# KiCad board MEP-MAXI-85V-1-REV-2-Interface-Board.kicad_pcb (continued)
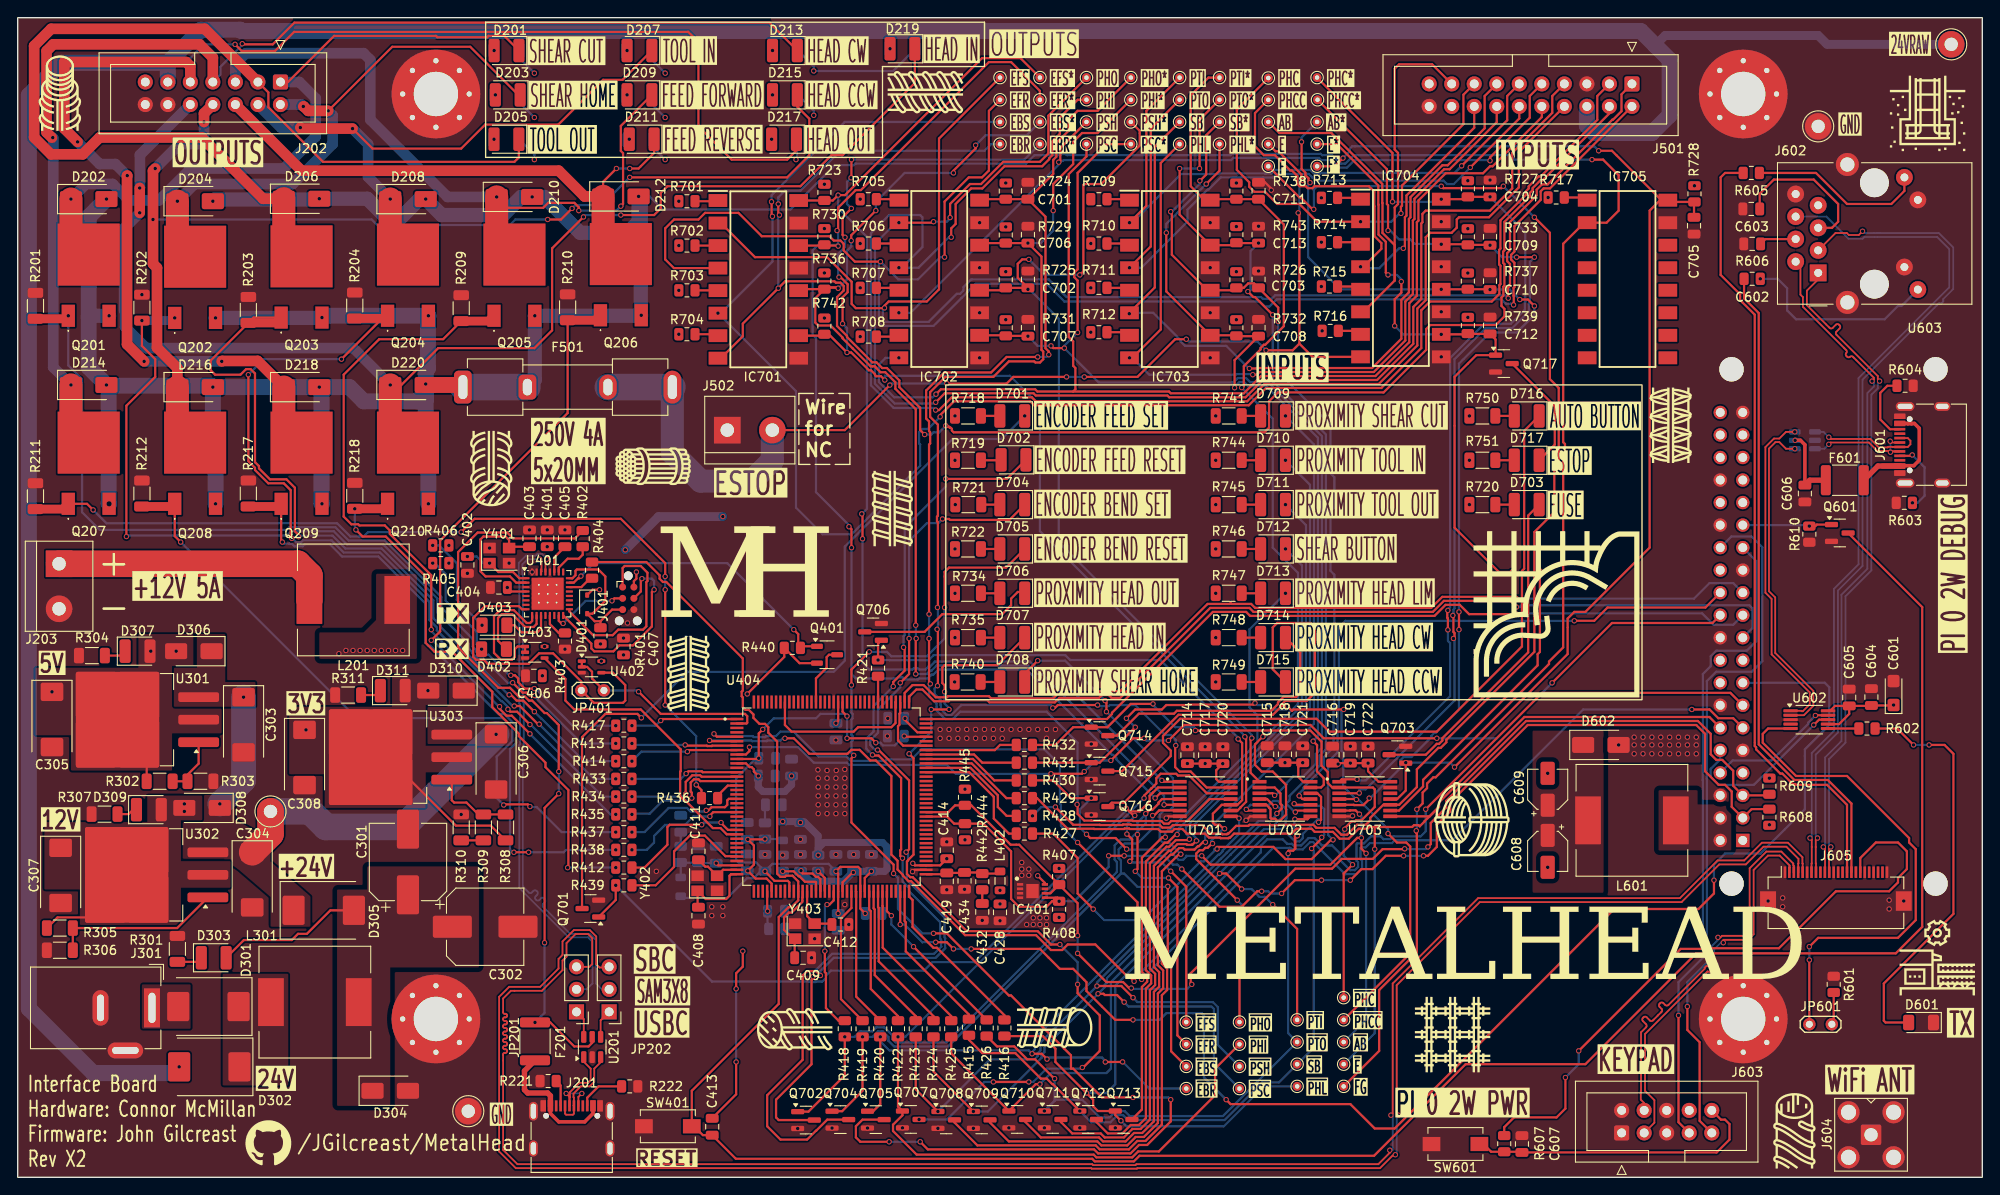
[diagram p0: board, top side]
## Routing (per net, layer and track width the routed paths; a pad name or vN(x,y) marks a point on that pad's centre or on a via; arc(x,y) is an arc through that point) (continued)
/Signal Processing/PROXIMITY_TOOL_OUT*: length 99.2
  Top w0.25: v1(141.5,97.25) 139.5,99.25 139.31,99.25 v1(138.69,99.87) ; v1(131,113.75) 131,108.55 IC703.14 136.85,105.1 137.13,105.38 R743.2 137.44,105.34 v1(139.9,105.34) ; v1(133.25,113.75) 133.25,119.25 TP723.1 ; U702.9 144.1,41.35 144.05,41.3 v1(144.05,41.17)
  Bottom w0.25: v1(139.9,105.34) 139,104.44 139,100.07 138.8,99.87 138.7,99.87 v1(138.69,99.87) ; v1(141.5,97.25) 141.5,89.75 147.5,83.75 147.5,48.25 146.8,47.55 146.8,46.41 143.4,43.02 143.4,42.49 143.04,42.13 143.04,42.11 143.98,41.17 v1(144.05,41.17) ; v1(131,113.75) v1(133.25,113.75)
/Signal Processing/SHEAR_BUTTON: length 92.2
  Top w0.25: TP732.1 128.2,116.2 128.2,100.33 IC703.6 ; v1(138.87,91.2) 139.68,91.2 139.73,91.25 152.7,91.25 156,94.55 156,98.93 156.85,99.78 156.85,108.07 157.03,108.25 157.03,110.52 160.62,114.11 161.23,114.11 165.4,118.28 165.4,121.93 J501.13
  Bottom w0.25: v1(125.33,97.38) 125.43,97.48 128.02,97.48 131.12,94.38 131.12,94.24 131.62,93.75 136.25,93.75 138.8,91.2 v1(138.87,91.2)
/Signal Processing/SHEAR_BUTTON*: length 93.6
  Top w0.25: TP736.1 134,117.5 134,113.07 v1(133.28,112.36) ; v1(144.48,43.01) 144.84,42.65 U702.11 ; v1(130,108.88) 130.12,108.75 130.12,104.02 134.12,100.02 IC703.12 136.77,100.02 137.04,100.29 R726.2 138.22,100.29 138.72,100.79 139.4,100.79 C703.1 142.12,98.06 v1(142.12,96.5)
  Bottom w0.25: v1(133.28,112.36) 133.28,112.03 130.13,108.88 v1(130,108.88) ; v1(142.12,96.5) 142.12,90.76 148,84.89 148,79.39 148.45,78.94 148.45,75.56 148,75.11 148,68.39 148.45,67.94 148.45,53.22 148.43,53.2 148.43,52.95 148.35,52.87 148.35,48.46 147.25,47.36 147.25,46.23 144.95,43.93 144.95,43.74 144.5,43.29 144.5,43.22 144.5,43.22 144.5,43.03 144.49,43.01 v1(144.48,43.01)
/Signal Processing/~{AUTO_BUTTON}: length 76
  Top w0.25: v1(125.03,37) 123.78,38.25 120.93,38.25 v1(120.5,38.67) ; v1(121.04,42.75) 118.75,42.75 116.75,44.75 R430.2 ; v1(151.28,40.94) 150.85,41.38 150.24,41.38 150.22,41.35 U703.6 ; v1(133.5,36.25) 134.5,35.25 148,35.25 151.03,38.28 v1(151.5,38.28) 151.5,37.05 v1(152.03,36.52)
  Bottom w0.25: v1(125.03,37) 125.08,36.94 129.74,36.94 130.88,35.8 131.4,35.8 131.76,36.17 131.76,36.25 v1(133.5,36.25) ; v1(151.5,38.28) 151.5,40.72 v1(151.28,40.94) ; v1(120.5,38.67) 119.75,39.42 119.75,41.46 v1(121.04,42.75) ; v1(152.03,36.52) 152.03,17.78 TP741.1
/Signal Processing/~{ENCODER_BEND_RESET}: length 84.1
  Top w0.25: v1(122.62,13) 124.57,13 v1(124.57,13.01) ; v1(114.37,13.93) 115.45,13.93 v1(116.05,13.33) ; Q705.1 96.45,7.45 97.25,8.25 v1(97.25,15.83) ; U701.8 137.48,40.7 v1(137.7,40.48)
  Bottom w0.25: v1(116.05,13.33) 116.22,13.5 122.25,13.5 122.62,13.12 v1(122.62,13) ; TP751.1 127.58,10 v1(124.57,13.01) ; v1(137.7,40.48) 137.7,38.86 137.65,38.81 137.65,38.65 135.85,36.85 135.85,36.75 135.48,36.39 135.39,36.39 131.71,32.71 131.68,32.71 114.68,15.71 114.68,14.43 114.34,14.09 114.34,13.95 v1(114.37,13.93) 113.99,14.31 98.26,14.31 97.25,15.32 v1(97.25,15.83)
/Signal Processing/~{ENCODER_BEND_SET}: length 88.4
  Top w0.25: U701.6 130.99,41.38 128.7,41.38 128.12,40.79 v1(127.95,40.79) ; Q704.1 92.95,7.45 95.25,9.75 v1(95.25,15.83) ; TP738.1 130.04,14.21 130.04,23.69 129.67,24.06 v1(129.67,32.8)
  Bottom w0.25: v1(127.95,40.79) 127.95,39.34 126.24,37.63 124.77,37.63 124.12,36.98 124.12,35.99 124.38,35.73 124.38,34.25 ; 124.38,34.25 124.75,34.25 126.25,32.75 129.66,32.75 129.67,32.76 v1(129.67,32.8) ; 124.38,34.25 104.89,14.76 98.8,14.76 98.17,15.39 98.17,15.8 97.52,16.46 96.99,16.46 96.37,15.83 v1(95.25,15.83)
/Signal Processing/~{ENCODER_FEED_RESET}: length 95.3
  Top w0.25: v1(126,34.5) 126.25,34.75 v1(126.25,38.64) ; v1(93.25,15.83) 93.25,11.5 89.15,7.4 Q702.1 ; v1(127.18,41) 127.6,41.42 127.92,41.42 128.62,42.13 128.62,42.26 129.02,42.65 U701.4 ; v1(129.75,33.75) 130.75,32.75 130.75,16 TP725.1
  Bottom w0.25: v1(93.25,15.83) 94.37,15.83 94.99,16.46 96.35,16.46 96.8,16.91 97.71,16.91 98.62,15.99 98.62,15.57 98.99,15.21 104.71,15.21 123.93,34.42 123.93,35.55 123.68,35.8 123.68,37.45 124.31,38.08 125.37,38.08 127.18,39.88 v1(127.18,41) 127.18,40.92 126.25,39.99 v1(126.25,38.64) ; v1(126,34.5) 126.75,33.75 v1(129.75,33.75)
/Signal Processing/~{ENCODER_FEED_SET}: length 112.9
  Top w0.25: TP711.1 131.75,32.76 v1(130,34.51) ; U701.2 128.57,43.95 128,43.38 127.98,43.38 127.62,43.02 127.62,42.37 126.5,41.25 125.34,41.25 v1(124.98,41.61) 125.8,40.79 125.94,40.79 v1(125.94,40.8) ; Q701.1 67.42,31.28 v1(67.42,32.92) ; v1(125.39,35.62) 125.65,35.88 125.65,38.11 v1(125.06,38.7)
  Bottom w0.25: v1(130,34.51) 129.99,34.51 129,35.5 125.73,35.5 125.44,35.79 125.41,35.79 125.39,35.77 v1(125.39,35.62) ; 125.75,40.52 125.75,40.6 v1(125.94,40.8) ; v1(67.42,32.92) 78.28,22.06 89.34,22.06 89.4,22 89.92,22 89.98,22.06 90.7,22.06 91.12,22.49 91.12,22.74 91.69,23.3 102.19,23.3 103.14,24.25 107.86,24.25 125.1,41.49 v1(124.98,41.61) ; v1(125.06,38.7) 125.06,39.83 125.75,40.52
/Signal Processing/~{ESTOP}: length 121.4
  Top w0.25: 160.25,41.75 159.2,40.7 U703.8 ; 160.25,41.75 160.25,42.27 169.88,51.9 190.74,51.9 U603.12 ; 160.25,41.75 160.23,41.75 158.6,40.12 158.6,40.1 158.07,39.57 157.94,39.7 157.42,39.7 157.22,39.5 153,39.5 ; 153,39.5 152.39,39.5 152.19,39.3 151.2,39.3 150.07,38.17 149.05,38.17 148.28,38.95 146.23,38.95 145.88,39.3 144.19,39.3 143.64,38.75 137.14,38.75 136.69,38.3 136.59,38.3 136.52,38.23 135.63,38.23 135.55,38.3 134.31,38.3 133.86,38.75 131.83,38.75 131.31,39.27 130.43,39.27 130.13,38.97 128.87,38.97 128.57,39.27 125.37,39.27 125.32,39.33 124.8,39.33 124.74,39.27 121.36,39.27 121.33,39.3 118.38,39.3 114.93,42.75 R429.2 ; 153,39.5 v1(153,37)
  Bottom w0.25: v1(153,37) 153,16.25 TP754.1
/Signal Processing/~{FUSE}: length 156.8
  Top w0.25: v1(117,41.75) 119,39.75 122,39.75 122.03,39.72 124.56,39.72 124.61,39.78 125.5,39.78 125.56,39.72 128.76,39.72 129.05,39.42 129.95,39.42 130.24,39.72 133.53,39.72 134.5,38.75 135.74,38.75 135.81,38.68 136.33,38.68 136.4,38.75 136.5,38.75 137.38,39.62 138.76,39.62 138.88,39.75 141.22,39.75 141.26,39.71 142.15,39.71 142.19,39.75 146.07,39.75 146.42,39.4 148.46,39.4 149.24,38.62 149.88,38.62 151.01,39.75 152,39.75 152.5,40.25 152.5,40.53 153.97,42 U703.10 155.75,42 157.75,44 157.75,46 160.18,48.42 160.45,48.42 161.07,49.05 161.07,49.33 171,59.25 171,72.75 173.25,75 173.25,80.25 173.75,80.75 173.75,89 172.75,90 172.75,106.5 v1(171,108.25) ; v1(167.5,111.75) 167.29,111.54 160.71,111.54 v1(160.5,111.75) ; TP715.1 144.5,110.5 144.63,110.5 145.99,109.15 v1(146.12,109.15)
  Bottom w0.25: v1(117,41.75) 115.41,41.75 v1(114.41,40.75) ; v1(146.12,109.15) 146.12,111.38 146.5,111.75 v1(160.5,111.75) ; v1(171,108.25) v1(167.5,111.75)
/Signal Processing/~{PROXIMITY_HEAD_CCW}: length 84.9
  Top w0.25: R431.2 Q715.1 122,46.75 v1(126,50.75) ; v1(154.5,38.75) 155.5,37.75 156.55,37.75 157,37.3 157,25.25 TP728.1 ; v1(143.17,53.1) 143.66,52.6 143.69,52.6 143.84,52.75 v1(149.5,52.75) ; v1(150.93,42.59) 150.93,42.59 150.87,42.65 U703.4 ; v1(125,51.75) 126,52.75 129,52.75 129.5,53.25 131.95,53.25 132,53.3 139.32,53.3 v1(139.5,53.47)
  Bottom w0.25: v1(154.5,38.75) 154.5,39.25 151.16,42.59 150.93,42.59 v1(150.93,42.59) 149.45,44.07 149.45,46.28 149.5,46.33 149.5,46.85 149.45,46.9 149.45,47.9 149.25,48.1 149.25,52.5 v1(149.5,52.75) ; v1(139.5,53.47) 139.72,53.25 141,53.25 141.5,52.75 143.07,52.75 143.17,52.85 v1(143.17,53.1) ; v1(125,51.75) v1(126,50.75)
/Signal Processing/~{PROXIMITY_HEAD_CW}: length 73.4
  Top w0.25: R432.2 117,48.75 119,50.75 Q714.1 122.86,50.75 125.49,53.38 v1(128,53.38) ; v1(132.79,50.38) 145.74,50.38 147,49.12 147,46.4 147.7,45.7 147.7,44.47 148.22,43.95 U703.2 152.8,43.95 153,43.75 153,41.75 151.5,40.25 150.88,40.25 150.76,40.12 150.38,40.12 149.62,39.38 v1(149.62,39.25) ; v1(150.5,35.25) 149.5,34.25 TP714.1
  Bottom w0.25: v1(150.5,35.25) 149.5,36.25 149.5,39.12 v1(149.62,39.25) ; v1(128,53.38) 128,53.25 130.5,50.75 132.62,50.75 132.79,50.58 v1(132.79,50.38)
/Signal Processing/~{PROXIMITY_HEAD_IN}: length 109.8
  Top w0.25: v1(126.99,42.75) 126.99,43.03 127.8,43.83 127.81,43.83 128.38,44.4 128.38,45.01 128.87,45.5 130.61,45.5 130.81,45.3 132.06,45.3 134.06,43.3 U701.12 ; TP726.1 135,12.25 135,9.25 128.66,2.91 126.33,2.91 125.66,2.24 121.62,2.24 121.31,2.55 101.36,2.55 98.69,5.22 98.69,5.92 99.75,6.98 Q707.1 99.25,7.97 v1(99.25,15.83)
  Bottom w0.25: v1(99.25,15.83) 100.08,15.83 126.99,42.74 v1(126.99,42.75)
/Signal Processing/~{PROXIMITY_HEAD_LIM}: length 91.9
  Top w0.25: v1(146.68,40.03) 146.95,40.3 146.95,42.88 146.53,43.3 U702.12 ; v1(124.39,6.37) 123.75,7.01 Q713.1 121.78,7.47 121.25,8 121.25,8.75 v1(120.5,9.5) 117,13 117,14.5 115.58,15.92 R416.2
  Bottom w0.25: v1(124.39,6.37) 125.01,5.75 136,5.75 140.5,10.25 TP753.1 ; v1(120.5,9.5) 122.75,9.5 123.75,10.5 123.75,21.61 140.94,38.8 143.09,38.8 144.01,37.88 144.53,37.88 144.9,38.24 144.9,38.72 146.57,40.39 146.64,40.39 146.68,40.36 v1(146.68,40.03)
/Signal Processing/~{PROXIMITY_HEAD_OUT}: length 87
  Top w0.25: v1(97,58.33) 97,60.17 Q706.1 ; v1(137.5,31.25) 132.88,35.88 132.88,36.51 133.24,36.88 133.62,36.88 133.9,37.15 134.17,37.15 134.56,37.54 134.56,37.64 134.57,37.63 v1(134.71,37.63) ; v1(137.6,49.42) 138.05,48.96 138.05,42.53 137.52,42 U701.10 135.75,42 134.75,41 134.75,40 135,39.75 135.5,39.75 135.88,39.38 136,39.38 v1(136.07,39.3) ; v1(138,27.75) 137.75,27.5 TP712.1
  Bottom w0.25: v1(137.5,31.25) 138,30.75 v1(138,27.75) ; v1(137.6,49.42) 137.61,49.42 137.61,49.43 137.61,49.54 128.83,58.33 118.66,58.33 118.11,58.88 103.26,58.88 102.69,58.3 98.31,58.3 98.29,58.33 v1(97,58.33) ; v1(134.71,37.63) 134.57,37.63 134.56,37.64 134.56,37.93 135.93,39.3 v1(136.07,39.3)
/Signal Processing/~{PROXIMITY_SHEAR_CUT}: length 87.6
  Top w0.25: v1(141.79,41.81) 141.79,41.8 141.78,41.8 141.77,41.81 141.7,41.81 140.86,42.65 U702.4 ; v1(107.75,7.42) 103.25,11.92 R424.2 ; v1(124.75,19.75) 123.95,20.55 122.56,20.55 122.42,20.69 v1(121.81,20.69)
  Bottom w0.25: v1(124.75,19.75) 125.25,19.25 134.61,19.25 134.88,18.99 134.88,12.88 TP752.1 ; v1(141.79,41.81) 142.07,41.81 142.59,41.28 142.59,40.65 141.65,39.7 140.06,39.7 136.75,36.38 136.75,36.38 135.85,35.49 135.85,35.49 122.8,22.44 122.8,21.94 122.55,21.69 122.55,21.44 v1(121.81,20.69) 115.76,14.64 115.76,14.12 115.44,13.81 115.44,13.48 109.38,7.42 v1(107.75,7.42)
/Signal Processing/~{PROXIMITY_SHEAR_HOME}: length 90.1
  Top w0.25: U702.2 141.71,43.95 142.37,43.29 142.37,42.11 142.5,41.99 142.5,41.55 v1(141.97,41.02) ; v1(121.68,21.57) 124.43,21.57 v1(125.75,20.25) ; R423.2 101.25,9.92 v1(103.75,7.42)
  Bottom w0.25: v1(103.75,7.42) 109.63,13.3 114.63,13.3 114.99,13.67 114.99,13.99 115.31,14.31 115.31,15.19 v1(121.68,21.57) 121.68,21.96 135.66,35.94 135.67,35.94 136.3,36.57 136.3,36.57 139.88,40.15 141.21,40.15 141.84,40.78 141.84,40.81 141.92,40.89 141.92,40.89 141.97,40.93 141.97,41.02 v1(141.97,41.02) ; v1(125.75,20.25) 126.25,19.75 134.75,19.75 135.32,19.18 135.32,14.93 TP739.1
/Signal Processing/~{PROXIMITY_TOOL_IN}: length 91.8
  Top w0.25: v1(138.52,41.48) 138.65,41.35 U702.6 ; v1(138,32.5) 136.25,34.25 v1(135.5,34.25) ; 115,10.5 v1(115.25,10.5) 114.78,10.5 Q710.1 105.25,13.97 R425.2 ; v1(141.5,30.75) 144.25,28 TP713.1
  Bottom w0.25: v1(138,32.5) 139.12,32.5 139.99,31.62 140.62,31.62 v1(141.5,30.75) ; v1(115.25,10.5) 116.5,11.75 122.75,11.75 123.25,12.25 123.25,22 v1(135.5,34.25) 140.5,39.25 142.5,39.25 142.95,39.7 142.95,40.37 143.04,40.46 143.04,41.47 142.08,42.43 141.53,42.43 141.1,42 139,42 138.54,41.54 138.54,41.5 v1(138.52,41.48)
/Signal Processing/~{PROXIMITY_TOOL_OUT}: length 77.6
  Top w0.25: 144.14,38.61 144,38.47 144,37.02 ; 144,37.02 143.8,36.82 143.28,36.82 143.27,36.81 143.27,36.54 143.24,36.5 v1(143.24,36.5) ; 144,37.02 144.05,37.07 144.05,38.28 v1(144.27,38.5) ; v1(116.91,11.12) 116.91,11.22 116.83,11.3 116.7,11.3 114.7,13.3 113.81,13.3 112.36,14.75 110.42,14.75 R426.2 ; v1(144,40.38) 145.43,40.38 U702.8
  Bottom w0.25: v1(143.24,36.5) 143.24,16.26 TP727.1 140.15,11.15 140.13,11.15 135.88,6.9 125.38,6.9 124.83,7.44 123.8,7.44 123.11,6.75 122,6.75 120,8.75 117.03,8.75 v1(115.75,7.47) 116.91,8.63 v1(116.91,11.12) ; v1(144,40.38) 143.99,40.37 143.94,40.32 143.94,38.83 v1(144.27,38.5)
/Signal Processing/~{SHEAR_BUTTON}: length 80.3
  Top w0.25: R415.2 107.25,15.5 108.75,14 112.48,14 115.35,11.12 116.02,11.12 116.65,10.5 116.72,10.5 v1(119.75,7.47) ; v1(145.88,37.07) 147.03,38.21 v1(147.03,38.33) ; v1(143.91,42.12) 144.03,42 U702.10
  Bottom w0.25: v1(119.75,7.47) 121.02,6.2 123.2,6.2 123.99,7 124.65,7 125.19,6.45 136.06,6.45 140.31,10.7 142.2,10.7 TP740.1 146.12,14.62 146.12,36.83 v1(145.88,37.07) ; v1(143.91,42.12) 144.14,41.89 146.92,41.89 147.3,41.51 147.3,38.6 v1(147.03,38.33)
SCL: length 130.6
  Top w0.25: R407.2 119.5,30.91 v1(119.5,27.25) ; R407.2 116.44,32.03 IC401.6 ; R407.2 112.91,37.5 111.95,37.5 107.51,41.94 R445.1 105.69,41.94 104.92,41.17 U404.87 ; R609.2 197.37,43.06 U603.5 193.42,44.14 193.42,45.83 192.19,47.06 191.51,47.06 190.88,47.69 190.88,50.01 189.44,51.45 170.06,51.45 161.05,42.44 161.05,41.69 159.31,39.95 159.31,37.56 v1(159,37.25) ; v1(125.55,21.33) 125.3,21.33 124.62,22.02 122.73,22.02 v1(119.5,25.25) ; v1(156.38,37.04) 156.38,37.02 156.35,37 153.88,37 152.78,35.9 149.29,35.9 148.19,34.8 144.05,34.8 132.25,23 132.25,21.88 v1(132.38,21.75)
  Bottom w0.25: 156.47,37 156.45,37.02 ; 156.47,37 158.75,37 v1(159,37.25) ; 156.47,37 156.45,37.02 ; 156.45,37.02 156.4,37.02 ; 156.45,37.02 156.4,37.02 ; 156.4,37.02 v1(156.38,37.04) 156.4,37.02 ; v1(125.55,21.33) 125.63,21.25 131.88,21.25 v1(132.38,21.75) ; v1(119.5,25.25) v1(119.5,27.25)
SDA: length 128.8
  Top w0.25: v1(147,33.5) 144,33.5 v1(142.5,32) ; v1(123,36.25) v1(124.75,36.25) ; v1(156.25,36.25) 154.25,36.25 152.75,34.75 151.5,34.75 v1(150.25,33.5) ; v1(131.25,34.75) 135.5,30.5 138,30.5 139.75,32.25 v1(140.25,32.25) ; v1(158.5,36.25) 159,36.25 160,37.25 160,39.75 161.5,41.25 161.5,41.5 161.5,41.5 161.5,42.25 170.25,51 189.25,51 190.25,50 190.25,45.78 191.78,44.25 192.5,44.25 193.25,43.5 193.25,41.77 U603.3 195.49,41.51 R608.1 ; U404.86 104.78,40.67 105.58,39.88 R444.2 108.88,39.88 112,36.75 112,31.39 112.89,30.5 116,30.5 116.62,31.12 v1(117.41,31.12) 117.41,31.34 117.22,31.53 IC401.5
  Bottom w0.25: v1(158.5,36.25) v1(156.25,36.25) ; v1(117.41,31.12) 119.12,31.12 123,35 v1(123,36.25) ; v1(124.75,36.25) 129.25,36.25 130.25,35.25 130.75,35.25 v1(131.25,34.75) ; v1(150.25,33.5) v1(147,33.5) ; v1(140.25,32.25) 141,32.25 141.25,32 v1(142.5,32)
Net-(C431-Pad1): length 2.1
  Bottom w0.25: C431.1 84.25,41.95 R441.1
Net-(C432-Pad1): length 1.5
  Top w0.25: R442.1 C432.1
Net-(C437-Pad1): length 1.6
  Bottom w0.25: 74.75,37.33 C437.1
Net-(D201-A):
  vias: v1(53.71,127.05)
Net-(D203-A):
  vias: v1(53.85,122.05)
Net-(D205-A):
  vias: v1(53.7,117.05)
Net-(D207-A):
  vias: v1(68.7,127.05)
Net-(D209-A):
  vias: v1(68.7,122.05)
Net-(D211-A):
  vias: v1(68.95,117.05)
Net-(D213-A):
  vias: v1(85.1,127.05)
Net-(D215-A):
  vias: v1(85.1,122.05)
Net-(D217-A):
  vias: v1(85,117.05)
Net-(D219-A):
  vias: v1(98.35,127.25)
Net-(D303-A): length 16.6
  Top w0.25: D303.2 25.5,26.75 30.9,26.75 31.6,27.45 32.6,27.45 35.25,30.1 D305.2
Net-(D303-K): length 2.9
  Top w0.25: D303.1 20.24,24.29 R301.2
Net-(D307-K): length 2.5
  Top w0.25: D307.1 11.61,58.82 R304.2
Net-(D309-K): length 2.3
  Top w0.25: R307.2 12.5,40.95 13,41.45 D309.1
Net-(D311-K): length 2.4
  Top w0.25: D311.1 40.39,54.37 R311.2
Net-(D402-A): length 12.1
  Bottom w0.25: v1(46.79,69.25) 47,69.25 48.25,68 48.25,65 51.75,61.5 51.75,60.1 v1(52.3,59.55)
Net-(D403-A): length 11.7
  Bottom w0.25: v1(52.35,62.25) 49.5,65.1 49.5,69.25 47.5,71.25 v1(46.79,71.25)
Net-(D601-A): length 46.3
  Top w0.25: v1(215.5,48.75) 217.25,48.75 218.25,47.75 218.25,29.7 210.4,21.85 210.4,17.65 210.6,17.45 D601.2 ; v1(213.75,48.75) 211.9,50.6 R602.1
  Bottom w0.25: v1(213.75,48.75) v1(215.5,48.75)
Net-(D701-A): length 2.1
  Top w0.25: R718.1 D701.2
Net-(D701-K): length 92.1
  Top w0.25: Q701.3 63.62,49.62 66.25,52.25 69.87,52.25 v1(70.31,51.81)
  Bottom w0.25: v1(113.54,85.85) 110.94,83.25 105.39,83.25 93.25,71.11 93.25,58.25 92,57 75.5,57 v1(70.31,51.81)
Net-(D702-A): length 2.3
  Top w0.25: R719.1 110.83,80.85 D702.2
Net-(D702-K): length 108.6
  Top w0.25: v1(89.66,22.62) 89.7,22.58 89.7,22.45 89.5,22.25 89.5,12.75 85.5,8.75 85.5,6.75 85.8,6.45 Q702.3 ; v1(99.75,35.98) 99.51,36.22 99.51,36.88 99.6,36.98 99.6,45.01 97.06,47.55 96.45,47.55 v1(96.37,47.63) ; v1(99.88,59.75) 100,59.62 100,57.13 98.71,55.85 v1(98.71,55.35) ; v1(104.64,78.75) 111.53,78.75 D702.1
  Bottom w0.25: v1(99.88,59.75) 99.88,61.01 100,61.13 100,73.25 104.64,77.89 v1(104.64,78.75) ; v1(98.71,55.35) 96.5,53.13 96.5,50.27 95.67,49.45 95.67,48.33 v1(96.37,47.63) ; v1(89.66,22.62) 89.66,23.04 91.81,25.2 103.31,25.2 104.12,26.01 104.12,26.76 104,26.88 104,28.75 100.5,32.25 100.5,32.61 99.77,33.34 99.77,35.96 v1(99.75,35.98)
Net-(D703-A): length 2.1
  Top w0.25: D703.2 R720.1
Net-(D703-K): length 37.8
  Top w0.25: D703.1 170.3,74.61 170.3,59.19 160.62,49.51 160.62,49.24 160.26,48.88 159.99,48.88 158.76,47.65 Q703.3
Net-(D704-A): length 2.1
  Top w0.25: R721.1 D704.2
Net-(D704-K): length 114.1
  Top w0.25: v1(99.5,55.75) 100.5,56.75 v1(100.5,60.75) ; v1(96.95,48.18) 97.07,48.18 100.5,44.75 100.5,36.99 100.17,36.66 v1(100.17,36.66) ; v1(104.27,74.23) 105,74.23 105.11,74.12 111.81,74.12 D704.1 ; v1(90.5,22.75) 90,23.25 89,23.25 88.5,22.75 88.5,13.25 84.5,9.25 84.5,5.75 86,4.25 89,4.25 90,5.25 90.03,5.25 91.28,6.5 Q704.3
  Bottom w0.25: v1(96.95,48.18) 96.69,48.18 96.12,48.74 96.12,49.26 97,50.13 97,52.75 99.5,55.25 v1(99.5,55.75) ; v1(90.5,22.75) 90.5,23.25 92,24.75 103.5,24.75 104.58,25.83 104.58,26.95 104.5,27.02 104.5,29.25 100.25,33.5 100.25,35.59 100.38,35.72 100.38,36.45 v1(100.17,36.66) ; v1(100.5,60.75) 100.5,71.75 102.5,73.75 103.79,73.75 v1(104.27,74.23)
Net-(D705-A): length 2.1
  Top w0.25: R722.1 D705.2
Net-(D705-K): length 145.1
  Top w0.25: v1(94,55.5) 94,57.25 v1(96,59.25) ; v1(125.75,9) 122.25,9 119,12.25 118.75,12.25 118.75,13.75 112,20.5 111.75,20.5 104.75,27.5 v1(103.25,27.5) ; Q705.3 95.25,6.5 94.5,5.75 94.5,4.5 95,4 v1(98.25,4) ; v1(130,8.75) 130,6.3 127.34,3.64 126.42,3.64 125.47,2.69 121.81,2.69 121.36,3.14 102.61,3.14 v1(101.75,4) ; D705.1 111.44,68.75 105,68.75 104.5,68.25 v1(104.5,64.25) ; v1(98.75,34.25) 98.75,35.25 94,40 94,47.25 94.26,47.51 v1(94.26,47.58)
  Bottom w0.25: v1(125.75,9) 129.75,9 v1(130,8.75) ; v1(98.75,34.25) 99.25,33.75 99.25,30.25 102,27.5 v1(103.25,27.5) ; v1(101.75,4) v1(98.25,4) ; v1(94.26,47.58) 94,47.84 94,49.12 94.12,49.24 94.12,49.76 94,49.88 94,51.62 94.12,51.74 94.12,52.26 94,52.38 v1(94,55.5) ; v1(96,59.25) 98,59.25 98.5,58.75 102.5,58.75 104.5,60.75 v1(104.5,64.25)
Net-(D706-A): length 2.1
  Top w0.25: R734.1 D706.2
Net-(D706-K): length 20.4
  Top w0.25: D706.1 113.39,66 112.75,66 112,65.25 112,64.5 111,63.5 104.25,63.5 102.25,61.5 Q706.3
Net-(D707-A): length 2.1
  Top w0.25: D707.2 R735.1
Net-(D707-K): length 95.8
  Top w0.25: v1(114,10.75) v1(110,10.75) ; v1(100.5,47.75) 101,47.25 101,36.38 100.38,35.76 100.38,35.72 100.26,35.6 100.26,34.2 100.63,33.84 100.91,33.84 107,27.75 115,27.75 116.5,26.25 v1(117.5,26.25) ; v1(120.03,12.38) 120.12,12.38 122,14.25 122,18.25 119.5,20.75 v1(119.5,21.75) ; v1(104.5,54.75) 104.5,55.48 104.25,55.73 104.25,57.5 104.5,57.75 110.44,57.75 D707.1 ; v1(105,52.75) v1(103,52.75)
  Bottom w0.25: v1(101.62,6.52) 104.77,6.52 109,10.75 v1(110,10.75) ; v1(100.5,47.75) 103,50.25 v1(103,52.75) ; v1(120.03,12.38) 120.03,12.31 119.97,12.25 116,12.25 114.5,10.75 v1(114,10.75) ; v1(119.5,21.75) 119.5,24.25 v1(117.5,26.25) ; v1(105,52.75) 105,52.91 104.5,53.41 v1(104.5,54.75)
Net-(D708-A): length 2.2
  Top w0.25: D708.2 R740.1
Net-(D708-K): length 93.5
  Top w0.25: v1(122.75,52.5) 122.75,53.5 122.6,53.65 v1(122.6,53.75) ; Q708.3 105.62,6.17 108.2,3.59 121.54,3.59 121.99,3.14 125.28,3.14 126.23,4.09 127.16,4.09 129,5.94 129,20.53 129.59,21.12 129.59,23.5 129,24.09 129,34.5 130.99,36.49 131.08,36.49 v1(131.14,36.43) ; D708.1 113.5,55.89 113.5,56.75 v1(115,58.25)
  Bottom w0.25: v1(115,58.25) 118.1,58.25 v1(122.6,53.75) ; v1(131.14,36.43) 129.84,37.72 129.13,37.72 128.76,38.09 128.76,40.89 129.24,41.38 129.88,41.38 130.25,41.75 130.25,45 v1(122.75,52.5)
Net-(D709-A): length 2.1
  Top w0.25: D709.2 R741.1
Net-(D709-K): length 111.9
  Top w0.25: Q709.3 109.62,6.17 111.75,4.04 121.73,4.04 122.18,3.59 125.1,3.59 126.05,4.54 126.97,4.54 128.55,6.12 128.55,20.71 129.14,21.31 129.14,23.32 128.55,23.91 128.55,34.93 129.99,36.38 130.2,36.38 130.94,37.12 131.4,37.12 131.57,36.95 132.68,36.95 133.05,37.33 133.17,37.33 133.68,37.84 133.85,37.84 v1(133.91,37.78)
  Bottom w0.25: v1(142.94,85.85) 146.15,82.64 146.15,51.15 133.89,38.89 133.89,37.8 v1(133.91,37.78)
Net-(D710-A): length 2.1
  Top w0.25: D710.2 R744.1
Net-(D710-K): length 102.3
  Top w0.25: Q710.3 113.62,6.22 115.35,4.49 121.92,4.49 122.37,4.04 124.91,4.04 125.86,4.99 126.79,4.99 128.1,6.31 128.1,20.9 128.69,21.49 128.69,23.13 128.1,23.72 128.1,35.12 129.8,36.83 130.02,36.83 130.76,37.57 131.76,37.57 131.84,37.49 132.36,37.49 132.37,37.5 132.45,37.5 v1(132.89,37.94)
  Bottom w0.25: v1(142.94,80.85) 145.7,78.09 145.7,52.81 132.16,39.28 132.16,38.93 133.14,37.95 132.9,37.95 v1(132.89,37.94)
Net-(D711-A): length 2.1
  Top w0.25: D711.2 R745.1
Net-(D711-K): length 91.3
  Top w0.25: v1(132.1,38.11) 132,38.02 130.57,38.02 129.83,37.28 129.53,37.28 127.65,35.4 127.65,23.54 128.24,22.94 128.24,21.68 127.65,21.09 127.65,6.49 126.6,5.44 125.68,5.44 124.73,4.49 122.55,4.49 122.1,4.94 118.9,4.94 117.62,6.22 Q711.3
  Bottom w0.25: v1(142.94,75.85) 145.25,73.54 145.25,53 131.71,39.46 131.71,38.74 132.12,38.34 132.12,38.14 132.11,38.13 132.11,38.13 v1(132.1,38.11)
Net-(D712-A): length 2.1
  Top w0.25: D712.2 R746.1
Net-(D712-K): length 80.1
  Top w0.25: Q712.3 121.62,6.22 122.9,4.94 124.54,4.94 125.49,5.89 126.41,5.89 127.2,6.68 127.2,21.27 127.79,21.86 127.79,22.76 127.2,23.35 127.2,35.61 129.32,37.72 129.64,37.72 130.56,38.64 v1(130.72,38.64)
  Bottom w0.25: v1(142.94,70.85) 144.8,68.99 144.8,53.21 141.02,49.43 141.02,49.42 140.65,49.05 140.64,49.05 130.93,39.33 130.93,39.09 130.72,38.89 v1(130.72,38.64)
Net-(D713-A): length 2.1
  Top w0.25: D713.2 R747.1
Net-(D713-K): length 68.1
  Top w0.25: Q713.3 126.75,7.65 126.75,21.46 127.34,22.05 127.34,22.57 126.75,23.16 126.75,36.04 129.06,38.35 v1(129.38,38.35)
  Bottom w0.25: v1(129.38,38.35) 129.38,38.53 129.36,38.55 129.36,38.79 129.69,39.12 129.88,39.12 139.77,49.02 139.77,52.1 138.88,52.99 138.88,61.79 v1(142.94,65.85)
Net-(D714-A): length 2.1
  Top w0.25: D714.2 R748.1
Net-(D714-K): length 30.7
  Top w0.25: Q714.3 123.93,49.8 126.41,52.28 130.37,52.28 130.69,52.6 141.33,52.6 142.09,53.36 142.09,53.54 142.72,54.17 143.61,54.17 143.63,54.15 144.13,54.15 144.6,54.62 144.6,59.19 D714.1
Net-(D715-A): length 2.1
  Top w0.25: D715.2 R749.1
Net-(D715-K): length 46.4
  Top w0.25: Q715.3 124.53,45.8 130.88,52.15 141.52,52.15 142.54,53.18 142.54,53.36 142.91,53.72 143.43,53.72 143.45,53.7 145.31,53.7 146.25,54.64 146.25,62 145.75,62.5 142,62.5 141.5,62 141.5,57.29 D715.1
Net-(D716-A): length 2.1
  Top w0.25: D716.2 R750.1
Net-(D716-K): length 84.7
  Top w0.25: D716.1 169.85,84.16 169.85,68.62 169.6,68.37 169.6,59.85 160,50.25 147.89,50.25 146.44,51.7 131.06,51.7 129.12,49.76 129.12,48.99 130,48.12 130,47.5 124.74,42.24 123.35,42.24 Q716.3
Net-(D717-A): length 2.1
  Top w0.25: D717.2 R751.1
Net-(D717-K): length 13.6
  Top w0.25: D717.1 173.3,82.61 173.3,86.95 Q717.3
Net-(IC701-A_1): length 2.6
  Top w0.25: IC701.1 78.87,110.06 R701.2
Net-(IC701-A_2): length 2.6
  Top w0.25: R702.2 IC701.3
Net-(IC701-A_3): length 2.6
  Top w0.25: R703.2 78.92,100.01 IC701.5
Net-(IC701-A_4): length 2.7
  Top w0.25: IC701.7 78.79,95.06 R704.2
Net-(IC702-A_1): length 2.6
  Top w0.25: IC702.1 99.24,110.29 R705.2
Net-(IC702-A_2): length 2.6
  Top w0.25: IC702.3 99.16,105.29 R706.2
Net-(IC702-A_3): length 2.6
  Top w0.25: R707.2 99.08,100.29 IC702.5
Net-(IC702-A_4): length 2.6
  Top w0.25: IC702.7 99.2,94.79 R708.2
Net-(IC703-A_1): length 2.6
  Top w0.25: R709.2 125.24,110.29 IC703.1
Net-(IC703-A_2): length 2.6
  Top w0.25: R710.2 125.16,105.29 IC703.3
Net-(IC703-A_3): length 2.6
  Top w0.25: IC703.5 125.08,100.29 R711.2
Net-(IC703-A_4): length 2.7
  Top w0.25: IC703.7 125,95.29 R712.2
Net-(IC704-A_1): length 2.7
  Top w0.25: R713.2 151.25,110.44 IC704.1
Net-(IC704-A_2): length 2.7
  Top w0.25: IC704.3 151.17,105.44 R714.2
Net-(IC704-A_3): length 2.7
  Top w0.25: IC704.5 151.09,100.44 R715.2
Net-(IC704-A_4): length 2.7
  Top w0.25: 148.9,95.44 151.01,95.44 IC704.7
Net-(IC705-A_1): length 2.7
  Top w0.25: IC705.1 176.65,110.48 R717.2
Net-(J201-CC1): length 3
  Top w0.25: J201.A5 61.21,10.35 R221.2
Net-(J201-CC2): length 5.3
  Top w0.25: J201.B5 64.21,8.97 65.49,10.25 R222.2
Net-(J601-CC1): length 8.3
  Top w0.25: J601.A5 213.5,81.35 v1(213.6,81.45)
  Bottom w0.25: v1(213.62,76.05) 214.2,76.05 215,76.85 215,80.05 v1(213.6,81.45)
